# Altium PCB NNP-DWG-165-001-000 BP2 PCB, Unpopulated.PcbDoc (part 1 of 3) (continued)
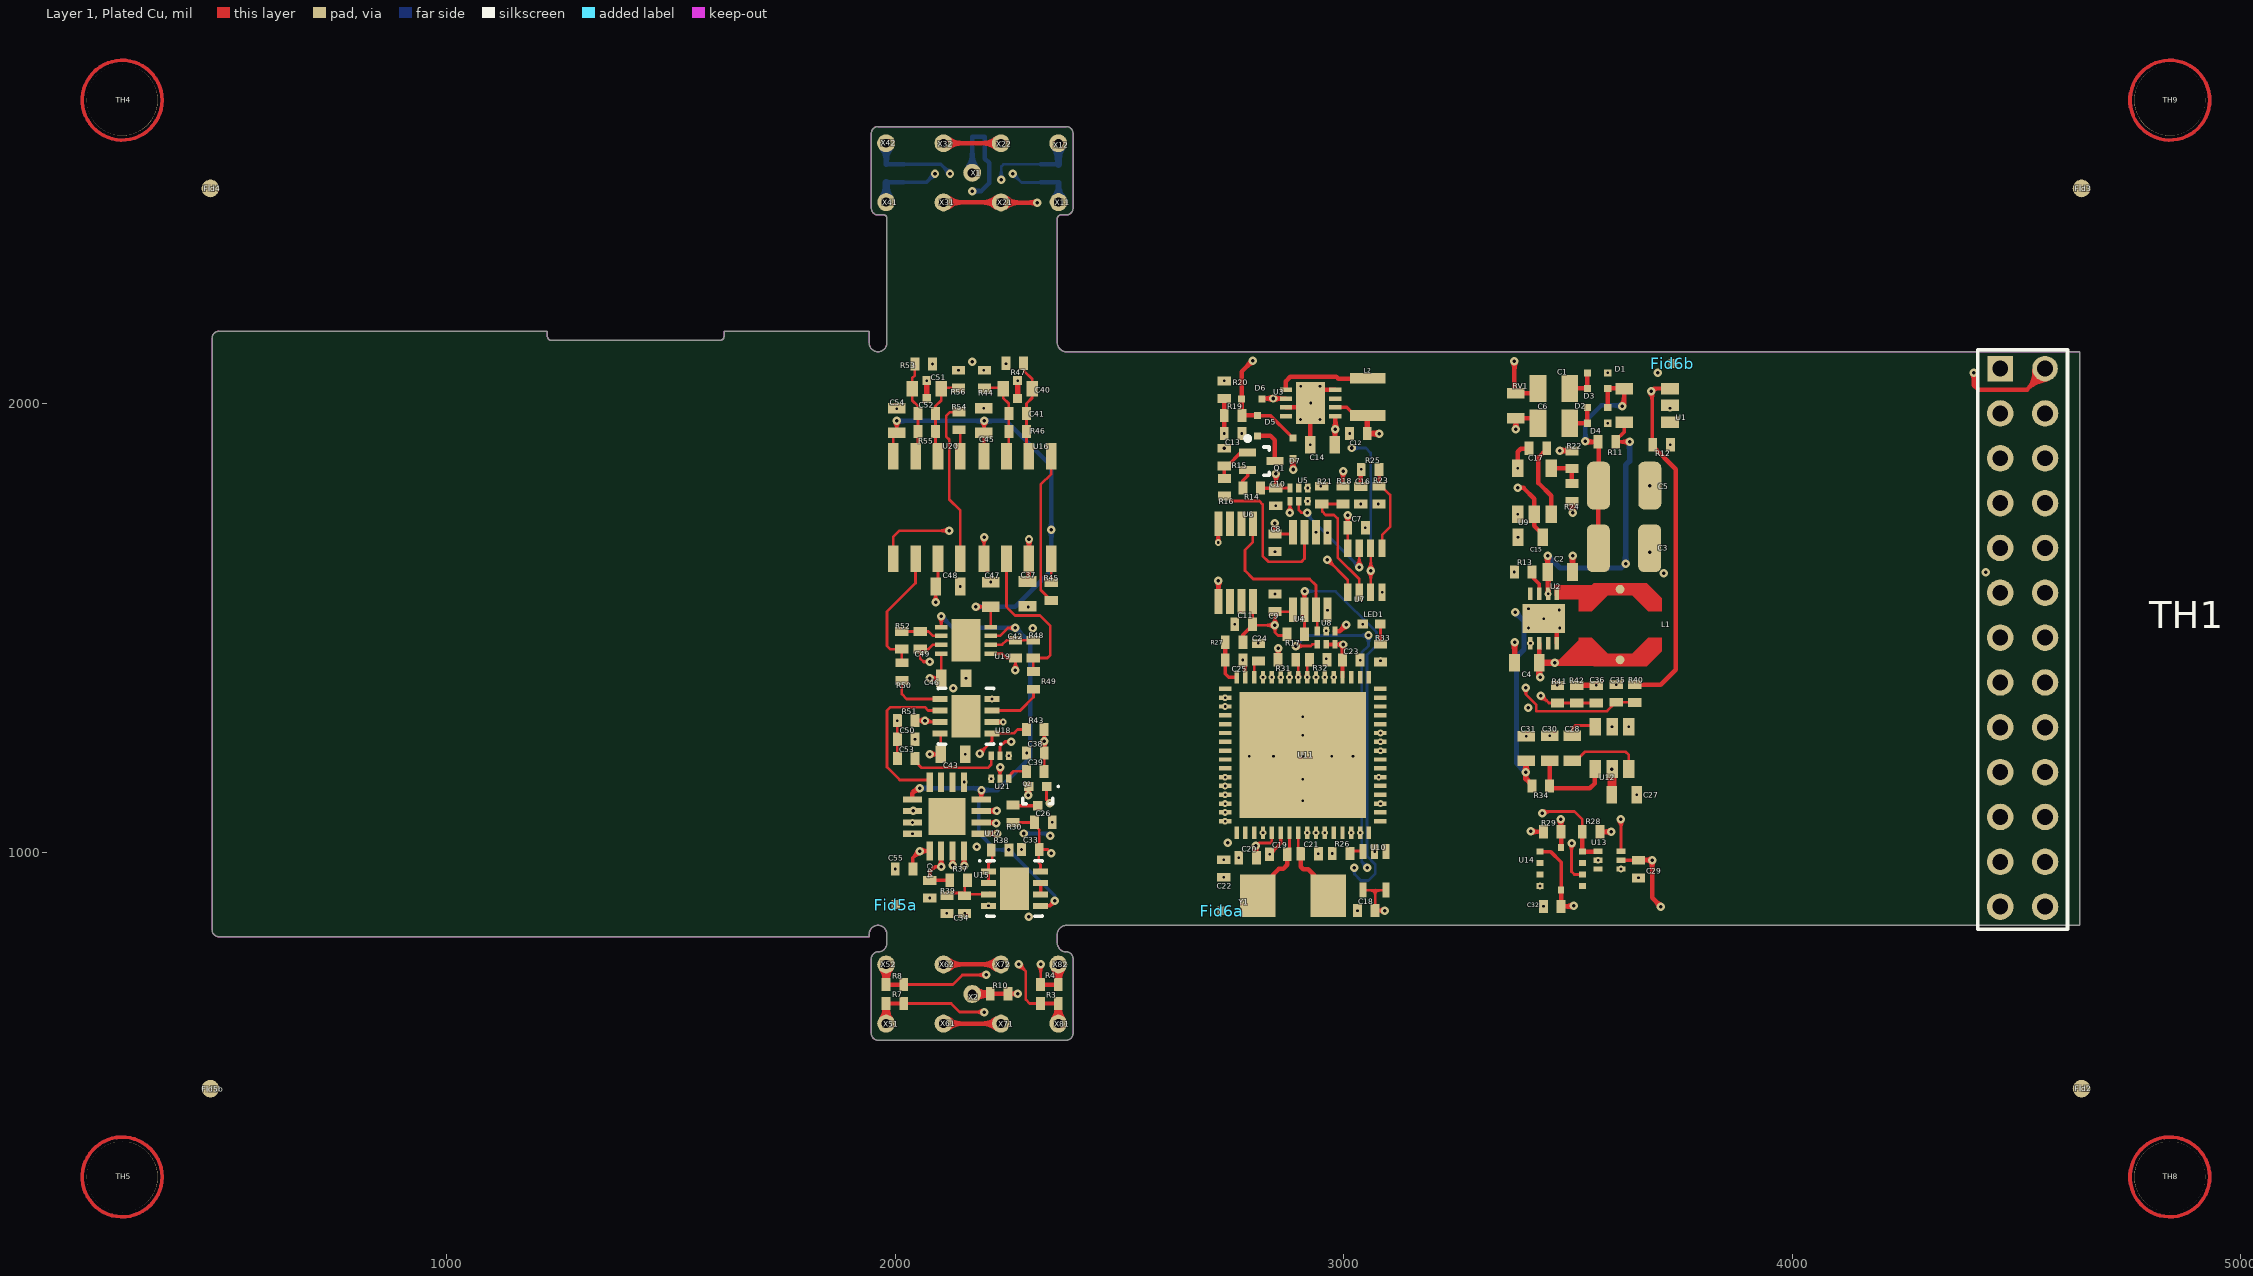
[diagram p0: Layer 1, Plated Cu view]
## Design rules (kind name [scope] priority, off if disabled: settings)
Clearance FEEDHOLE_20MIL [HasFootprint('FEEDHOLE_20MIL') vs IsKeepout] p1: gap=7.09 ignorepadtopadclearanceinfootprint=FALSE except(0: Arc-Hole Track-Hole SMDPad-Hole THPad-Hole Via-Hole Fill-Hole Poly-Hole Region-Hole Text-Hole)
Clearance Polygon [InPolygon] p2: gap=7.87 ignorepadtopadclearanceinfootprint=FALSE except(0: Arc-Hole Track-Hole SMDPad-Hole THPad-Hole Via-Hole Fill-Hole Poly-Hole Region-Hole Text-Hole; 12: Poly-Poly)
Clearance "Pad to Pad" [IsPad vs IsPad] p3: gap=7.87 ignorepadtopadclearanceinfootprint=FALSE except(0: Arc-Hole Track-Hole SMDPad-Hole THPad-Hole Via-Hole Fill-Hole Poly-Hole Region-Hole Text-Hole; 7.85: SMDPad-SMDPad)
Clearance Clearance_keepout [IsKeepout] p4: gap=7.87 ignorepadtopadclearanceinfootprint=FALSE except(0: Arc-Hole Track-Hole SMDPad-Hole THPad-Hole Via-Hole Fill-Hole Poly-Hole Region-Hole Text-Hole)
Clearance [All] p5: gap=3.8 ignorepadtopadclearanceinfootprint=FALSE except(0: THPad-Hole Via-Hole Fill-Hole Poly-Hole Region-Hole Text-Hole)
ComponentClearance [All vs All and Not HasFootprint('HDR_HOLE_RING')] p1: gap=9.84 collisioncheckmode=3 verticalgap=9.84 showdistances=TRUE
HoleToHoleClearance [All] p1: gap=7.87 allowstackedmicrovias=TRUE
MinimumSolderMaskSliver FEEDHOLE_20MIL_Solder [HasFootprint('FEEDHOLE_20MIL') vs IsArc or IsTrack or IsRegion] p1: minsoldermaskwidth=1.97
MinimumSolderMaskSliver [All vs All and NOT HasFootprint('DFN8') AND NOT HasFootprint('uSOP-8L') AND NOT HasFootprint('uPak6') AND NOT HasFootprint('SOT-563') AND NOT HasFootprint('QFN64')] p2: minsoldermaskwidth=1
PasteMaskExpansion DNP [InComponentClass('DNP')] p1: expansion=-78.74
PasteMaskExpansion [All] p2: expansion=0
PolygonConnect IsVia [IsVia] p1: connectstyle=Direct reliefconductorwidth=10 reliefentries=4 polygonreliefangle="90 Angle" airgapwidth=10
PolygonConnect [All] p2: connectstyle=Relief reliefconductorwidth=11.81 reliefentries=4 polygonreliefangle="90 Angle" airgapwidth=9.84
RoutingVias L1-L4 [All] p1: holewidth=7.87 width=17.72 viastyle="Through Hole" minholewidth=5.91 minwidth=15.75 maxholewidth=7.87 maxwidth=17.72
ShortCircuit "Schematic Short-Circuit Constraint_9" [InComponent('R1')] p1: allowed=TRUE
ShortCircuit "Schematic Short-Circuit Constraint_8" [InComponent('R2')] p2: allowed=TRUE
ShortCircuit "Schematic Short-Circuit Constraint_7" [InComponent('R3')] p3: allowed=TRUE
ShortCircuit "Schematic Short-Circuit Constraint_6" [InComponent('R4')] p4: allowed=TRUE
ShortCircuit "Schematic Short-Circuit Constraint_5" [InComponent('R5')] p5: allowed=TRUE
ShortCircuit "Schematic Short-Circuit Constraint_4" [InComponent('R6')] p6: allowed=TRUE
ShortCircuit "Schematic Short-Circuit Constraint_3" [InComponent('R7')] p7: allowed=TRUE
ShortCircuit "Schematic Short-Circuit Constraint_2" [InComponent('R8')] p8: allowed=TRUE
ShortCircuit "Schematic Short-Circuit Constraint_1" [InComponent('R9')] p9: allowed=TRUE
ShortCircuit "Schematic Short-Circuit Constraint" [InComponent('R10')] p10: allowed=TRUE
ShortCircuit [All] p11: allowed=FALSE
SilkToSolderMaskClearance SilkscreenOverComponentPads [IsPad] p1: minsilkscreentomaskgap=10 clearancetoexposedcopper=TRUE
SolderMaskExpansion [All] p1: expansion=1.97
Width [All] p1: maxlimit=39.37 minlimit=5.91 preferedwidth=9.84 checkconnectedcopper=TRUE
24 further rules are at their usual default settings.

## Components (designator, comment, footprint, x,y, rotation, side; value= is the part's Value field where it differs from the comment)
C1 "C_100n_X7R_100_0805_10%" CAP_0805 3468.74,2034.11 r0 top
C2 "C_1u_X7R_25_0603_10%" CAP_0603#1 3482.63,1624.96 r0 top
C3 "C_47u_X5R_16_1210_20%" CHIP_1210N 3625.19,1677.76 r0 top
C4 "C_10u_X5R_6V3_0603_20%" CAP_0603#1 3408.49,1422.39 r180 top
C5 "C_47u_X5R_16_1210_20%" CHIP_1210N 3625.57,1817.62 r0 top
C6 "C_100n_X7R_100_0805_10%" CAP_0805 3468.74,1956.36 r0 top
C7 "C_100n_X7R_16_0402_10%" CAP_0402#1 3028.75,1723.46 r0 top
C8 "C_100n_X7R_16_0402_10%" CAP_0402#1 2846.66,1690 r270 top
C9 "C_100n_X7R_16_0402_10%" CAP_0402#1 2846.66,1556.14 r90 top
C10 "C_100n_X7R_16_0402_10%" CAP_0402#1 2848.63,1792.36 r270 top
C11 "C_100n_X7R_16_0402_10%" CAP_0402#1 2776.78,1508.4 r180 top
C12 "C_4u7_X5R_6V3_0402_20%" CAP_0402#2 3032.81,1933.68 r180 top
C13 "C_68p_C0G_50_0402_5%" CAP_0402#1 2753.15,1933.68 r0 top
C14 "C_1u_X7R_25_0603_10%" RES_0603#1 2952.85,1908.82 r180 top
C15 "C_1u_X7R_25_0603_10%" CAP_0603#2 3416.24,1702.6 r180 top
C16 "C_4u7_X5R_6V3_0402_20%" CAP_0402#2 3037.82,1796.13 r90 top
C17 "C_10n_X7R_50_0402_20%" CAP_0402#2 3433.31,1900.67 r180 top
C18 "C_100n_X7R_16_0402_10%" CAP_0402#1 3050.4,869.62 r180 top
C19 "C_8p_C0G_50_0402" CAP_0402#1 2854.53,995.12 r180 top
C20 "C_100n_X7R_16_0402_10%" CAP_0402#1 2785.72,987.49 r180 top
C21 "C_8p_C0G_50_0402" CAP_0402#1 2923.92,996.59 r0 top
C22 "C_100n_X7R_16_0402_10%" CAP_0402#1 2732.68,963.55 r270 top
C23 "C_100n_X7R_16_0402_10%" CAP_0402#1 3016.94,1428.68 r0 top
C24 "C_100n_X7R_16_0402_10%" CAP_0402#1 2809.75,1445.9 r90 top
C25 "C_2u2_X5R_6V3_0402_20%" CAP_0402#1 2755.62,1428.59 r0 top
C26 "C_2u2_X5R_6V3_0402_20%" CAP_0402#2 2330.32,1066.47 r0 top
C27 "C_10u_X5R_6V3_0603_20%" CAP_0603#1 3625.75,1127.99 r0 top
C28 "C_10u_X5R_6V3_0603_20%" CAP_0603#1 3509.83,1231.83 r270 top
C29 "C_100n_X7R_16_0402_10%" CAP_0402#1 3657.4,962.24 r270 top
C30 "C_10u_X5R_6V3_0603_20%" CAP_0603#1 3459.64,1231.83 r90 top
C31 "C_10u_X5R_6V3_0603_20%" CAP_0603#2 3407.06,1231.15 r90 top
C32 "C_100n_X7R_16_0402_10%" CAP_0402#2 3465.15,879.06 r180 top
C33 "C_150n_X7R_16_0402_10%" CAP_0402#2 2301.1,1006 r180 top
C34 "C_100n_X7R_16_0402_10%" CAP_0402#1 2154.49,883.12 r270 top
C35 "C_100n_X7R_16_0402_10%" CAP_0402#1 3608.1,1353.95 r90 top
C36 "C_1n_C0G_50_0402_5%" CAP_0402#1 3563.48,1352.26 r90 top
C37 "C_150n_X7R_16_0603_10%" CAP_0603#1 2294.8,1576.11 r270 top
C38 "C_100n_X7R_16_0402_10%" CAP_0402#1 2312.45,1221 r180 top
C39 "C_100n_X7R_16_0402_10%" CAP_0402#1 2312.21,1180.15 r180 top
C40 "C_10n_X7R_50_0603_20%_X2Y" CAP_0603_X14 2272.84,2033.5 r0 top
C41 "C_4n7_C0G_50_0402_10%" CAP_0402#1 2272.84,1978.38 r0 top
C42 "C_100n_X7R_16_0402_10%" CAP_0402#1 2267.92,1452.79 r90 top
C43 "C_150n_X7R_16_0603_10%" CAP_0603#1 2128.65,1218.54 r0 top
C44 "C_150n_X7R_16_0402_10%" CAP_0402#2 2076.97,917.31 r270 top
C45 "C_150n_X7R_16_0603_10%" CAP_0603#1 2197.05,1962.64 r90 top
C46 "C_150n_X7R_16_0603_10%" CAP_0603#1 2130.12,1387.83 r0 top
C47 "C_150n_X7R_16_0603_10%" CAP_0603#1 2212.8,1574.84 r90 top
C48 "C_150n_X7R_16_0603_10%" CAP_0603#1 2117.33,1592.56 r0 top
C49 "C_100n_X7R_16_0402_10%" CAP_0402#1 2055.32,1472.48 r90 top
C50 "C_100n_X7R_16_0402_10%" CAP_0402#1 2024.29,1252.01 r0 top
C51 "C_10n_X7R_50_0603_20%_X2Y" CAP_0603_X14 2070.08,2033.5 r0 top
C52 "C_4n7_C0G_50_0402_10%" CAP_0402#1 2070.08,1978.38 r0 top
C53 "C_100n_X7R_16_0402_10%" CAP_0402#1 2024.29,1208.7 r0 top
C54 "C_150n_X7R_16_0603_10%" CAP_0603#1 2003.16,1962.64 r90 top
C55 "C_150n_X7R_16_0402_10%" CAP_0402#2 2019.36,962.48 r0 top
D1 "D_30_100m" SSSMini2-F4-B 3566.32,2034.12 r180 top
D2 "D_30_100m" SSSMini2-F4-B 3566.32,1992.07 r180 top
D3 "D_30_100m" SSSMini2-F4-B 3566.32,2069.12 r0 top
D4 "D_30_100m" SSSMini2-F4-B 3566.32,1956.62 r0 top
D5 "D_30_100m" SSSMini2-F4-B 2807.38,1951.13 r270 top
D6 "D_30_100m" SSSMini2-F4-B 2794.76,2010.54 r180 top
D7 "D_30_100m" SSSMini2-F4-B 2887.01,1900.67 r270 top
Fid2 "Comment" FID#1 4645.67,472.44 r0 top
Fid3 "Comment" FID#1 4645.67,2480.32 r0 top
Fid4 "Comment" FID#1 472.44,2480.32 r0 top
Fid5a "Comment" Fid05 2000.85,883.12 r0 top
Fid5b "Comment" FID#1 472.42,472.44 r0 top
Fid6a "Comment" Fid05 2728.42,869.35 r0 top
Fid6b "Comment" Fid05 3734.36,2090 r0 top
Fid8 "Comment" FID#2 4645.67,472.44 r180 top
Fid9 "Comment" FID#2 4645.67,2480.32 r180 top
Fid10 "Comment" FID#2 472.44,2480.32 r180 top
L1 "L_100u_285m_20%" "IND LPS4414 COILCRAFT" 3616.32,1507.62 r270 top
L2 "470uH, 35mH, 10%, 10 ohm" IND_1007 3053.38,2015.31 r270 top
LED1 "LED Red 0402" LED_0402_RED 3062.21,1508.89 r0 top
Q1 "Q_-50_-100m_SOT523" SOT523 2816.24,1872.14 r0 top
Q2 "NTE4151PT1G" ONSC-SC-89-3-463C-02_V 2317.63,1124.79 r270 top
R1 "DNP" RES_0402_cut 2344.5,2493.62 r180 bottom
R2 "DNP" RES_0402_cut 2344.01,2533.95 r180 bottom
R3 "DNP" RES_0402_cut 2343.71,662.44 r180 top
R4 "DNP" RES_0402_cut 2343.71,704.76 r180 top
R5 "DNP" RES_0402_cut 1999.36,2493.62 r0 bottom
R6 "DNP" RES_0402_cut 1999.68,2533.95 r0 bottom
R7 "DNP" RES_0402_cut 1999.22,662.44 r0 top
R8 "DNP" RES_0402_cut 1999.22,704.76 r0 top
R9 "DNP" RES_0402_cut 2171.53,2576.15 r90 bottom
R10 "DNP" RES_0402_cut 2231.5,684.09 r0 top
R11 "R_100m_0402" RES_0402#1 3587.19,1915.16 r180 top
R12 "R_49k9_0402" RES_0402#1 3708.84,1908.82 r0 top
R13 "R_470k_0402" RES_0402#1 3400.36,1624.96 r180 top
R14 "R_1k_0402" RES_0402#1 2794.76,1812.04 r180 top
R15 "R_5k1_0402" RES_0402#1 2733.56,1880.99 r270 top
R16 "R_5k1_0402" RES_0402#1 2733.91,1813.79 r270 top
R17 "R_49k9_0402" RES_0402#1 2892.92,1486.26 r0 top
R18 "R_49k9_0402" RES_0402#1 2998.23,1796.3 r270 top
R19 "R_49k9_0402" RES_0402#1 2753.15,1973.97 r180 top
R20 "R_1k_0402" RES_0402#1 2733.46,2031.44 r90 top
R21 "R_1k_0402" RES_0402#1 2950.99,1796.3 r90 top
R22 "R_49k9_0402" RES_0402#1 3509.06,1875.34 r270 top
R23 "R_1k_0402" RES_0402#1 3078.94,1796.3 r90 top
R24 "R_84k5_0402" RES_0402#1 3509.06,1802.4 r270 top
R25 "R_49k9_0402" RES_0402#1 3058.95,1853.72 r180 top
R26 "R_10k_0402" RES_0402#1 2994.3,997.08 r180 top
R27 "R_20_0402" RES_0402#2 2755.62,1468.13 r180 top
R28 "R_10k_0402" RES_0402#1 3551.82,1045.37 r180 top
R29 "R_10k_0402" RES_0402#1 3464.94,1045.44 r0 top
R30 "R_20_0402" RES_0402#2 2262.51,1085.65 r270 top
R31 "R_10k_0402" RES_0402#1 2873.23,1429.17 r0 top
R32 "R_10k_0402" RES_0402#1 2943.12,1429.17 r180 top
R33 "R_10k_0402" RES_0402#1 3081.9,1443.93 r90 top
R34 "R_20_0402" RES_0402#1 3439.58,1147.67 r180 top
R37 "R_100k_0402" RES_0402#1 2140.95,937.25 r0 top
R38 "R_100_0402" RES_0402#1 2233.47,1004.95 r0 top
R39 "R_100k_0402" RES_0402#1 2114.97,883.12 r270 top
R40 "R_1k6_0402" RES_0402#1 3648.9,1353.6 r270 top
R41 "R_150k_0402" RES_0402#1 3476.55,1352.26 r270 top
R42 "R_49k9_0402" RES_0402#1 3519.64,1352.26 r90 top
R43 "R_1k6_0402" RES_0402#1 2312.21,1273.66 r0 top
R44 "R_10k_0402_0%1" RES_0402#1 2199.02,2055.15 r270 top
R45 "R_332_0402" RES_0402#1 2347.76,1581.2 r90 top
R46 "RES_0402" RES_0402#1 2272.84,1938.03 r0 top
R47 "R_10k_0402_0%1" RES_0402#1 2266.37,2090.59 r0 top
R48 "R_150k_0402" RES_0402#1 2307.78,1452.79 r270 top
R49 "R_10k_0402" RES_0402#1 2308.27,1382.91 r270 top
R50 "R_10k_0402" RES_0402#1 2014.97,1402.6 r270 top
R51 "R_1k6_0402" RES_0402#1 2024.29,1293.34 r180 top
R52 "R_150k_0402" RES_0402#1 2014.47,1472.48 r270 top
R53 "R_10k_0402_0%1" RES_0402#1 2063.2,2088.62 r180 top
R54 "R_332_0402" RES_0402#1 2141.94,1961.65 r90 top
R55 "RES_0402" RES_0402#1 2070.08,1938.03 r0 top
R56 "R_10k_0402_0%1" RES_0402#1 2140.95,2055.15 r270 top
RV1 "MOV 12V 0603" RES_0603#2 3384.1,1995.73 r270 top
TH1 "Header 13X2A" HDR2X13_CEN 4464.26,2078.44 r270 top
TH4 "Comment" Tooling-Hole 275.59,2677.17 r0 top
TH5 "Comment" Tooling-Hole 275.59,275.59 r0 top
TH8 "Comment" Tooling-Hole 4842.52,275.59 r0 top
TH9 "Comment" Tooling-Hole 4842.52,2677.17 r0 top
U1 "Current Monitor, 2.5V-20V, 1%" SOT23-5 3676.59,1996.62 r180 top
U2 "Step Down DC-DC, 4.5V-45V, 50mA" DFN8#1 3445.99,1520.82 r270 top
U3 "Step Down DC-DC, 4.5V-45V, 50mA" DFN8#2 2926.27,2001.66 r0 top
U4 "ISO DIG 3-5.5V" MSOP-8L 2925.4,1627.01 r90 top
U5 "XOR 1.65-5.5V" uPak6 2899.81,1797.28 r90 top
U6 "Silicon delay 3-3.6V" MSOP-8L 2759.06,1645.73 r270 top
U7 "CMP 2.7-5.5V  40ns" SOT23-8 3047.45,1628.97 r90 top
U8 "Flip-Flop 1.65-5.5V" uPak6 2960.83,1478.38 r270 top
U9 "LDO, -1.2-20V, -200mA" SOT23-5 3425.31,1805.03 r90 top
U10 "RESET 1.3-6.0V" SC70-5 3069.1,958.7 r270 top
U11 "uC 2.7-5.5V 8bit" QFN64 2908.67,1216.57 r0 top locked
U12 "Voltage inverter 1.15-5.5V 50mA" SOT23-6 3598.41,1232.81 r90 top
U13 "Temp Sens 1.4-3.6V 10uA 12bit I2C" SOT-563 3592.98,982.09 r0 top
U14 "Tri-axis accelerometer, I2C, I2Caddr=0001111" LGA10 3484.93,962.9 r0 top
U15 "OPA 1.8-5.5V DRB8" TI-DRB8-2400X1650TP_V#1 2265.89,918.65 r0 top
U16 "INA 2.3-18V 530uA" SOIC8-N 2272.84,1768.74 r270 top
U17 "DIGPOT 2.7-3.6V SPI" QFN16 2114.97,1079.27 r180 top locked
U18 "OPA 1.8-5.5V DFN8" TI-DRB8-2400X1650TP_V#2 2157.68,1303.19 r180 top
U19 "Op-Amp Dual R-R" DFN8#3 2157.68,1472.48 r180 top
U20 "INA 2.3-18V 530uA" SOIC8-N 2070.08,1768.74 r270 top
U21 "MOSFET 2N, 60V, 0.305A" SOT-563 2233.47,1189.46 r270 top
X1 "HOLE_20m" FEEDHOLE_20mil 2171.41,2515.1 r0 top
X2 "HOLE_20m" FEEDHOLE_20mil 2171.51,683.6 r0 top
X11 "HOLE_20m" FEEDHOLE_20mil 2364.07,2449.76 r0 top
X12 "HOLE_20m" FEEDHOLE_20mil 2363.41,2581.1 r0 top
X21 "HOLE_20m" FEEDHOLE_20mil 2235.41,2449.1 r0 top
X22 "HOLE_20m" FEEDHOLE_20mil 2235.41,2581.1 r0 top
X31 "HOLE_20m" FEEDHOLE_20mil 2107.41,2449.1 r0 top
X32 "HOLE_20m" FEEDHOLE_20mil 2107.41,2581.1 r0 top
X41 "HOLE_20m" FEEDHOLE_20mil 1979.67,2449.76 r0 top
X42 "HOLE_20m" FEEDHOLE_20mil 1979.41,2581.1 r0 top
X51 "HOLE_20m" FEEDHOLE_20mil 1979.51,617.6 r0 top
X52 "HOLE_20m" FEEDHOLE_20mil 1979.51,749.6 r0 top
X61 "HOLE_20m" FEEDHOLE_20mil 2107.51,617.6 r0 top
X62 "HOLE_20m" FEEDHOLE_20mil 2107.51,749.6 r0 top
X71 "HOLE_20m" FEEDHOLE_20mil 2235.51,617.6 r0 top
X72 "HOLE_20m" FEEDHOLE_20mil 2235.51,749.6 r0 top
X81 "HOLE_20m" FEEDHOLE_20mil 2363.51,617.6 r0 top locked
X82 "HOLE_20m" FEEDHOLE_20mil 2363.51,749.6 r0 top locked
Y1 "Crystal 8MHz SMT" NX5032GA 2887.01,902.8 r180 top

## Footprints (in the part's own frame and the unit in brackets; to place one, negate y for a bottom-side part, rotate by r counter-clockwise, add the part's x,y. Pads: shape width x height; smd on the part's side, far side on the other; paste and mask are expansions set on the pad)
CAP_0402#1 [mm] "0402 case"
  rect 0.5x0.75 smd mask+0.05: 1(-0.5,0) 2(0.5,0)
  body extent -0.5,-0.25 0.5,0.25, height 0.5
CAP_0402#2 [mm]
  rect 0.5x0.75 smd: 1(-0.5,0) 2(0.5,0)
  body extent -0.5,-0.25 0.5,0.25, height 0.5
CAP_0603#1 [mm] "0603 case"
  rect 0.6x1 smd mask+0.05: 1(-0.7,0) 2(0.7,0)
  body extent -0.8,-0.4 0.8,0.4, height 0.6
CAP_0603#2 [mm]
  rect 0.6x1 smd: 1(-0.7,0) 2(0.7,0)
  body extent -0.8,-0.4 0.8,0.4, height 0.6
CAP_0603_X14 [mil] "0603 package 1.6 x 0.8 mm"
  rect 25.59x35.43 smd mask+1.97: 1(-32.48,0) 2(32.48,0)
  rect 20x20 smd mask+1.97: 3(0,18) 4(0,-22)
  body extent -31,-16 32,16, height 24
CAP_0805 [mm] "0805 case"
  rect 0.95x1.55 smd mask+0.05: 1(-0.9,0) 2(0.9,0)
  body extent -1,-0.62 1,0.63, height 0.6
CHIP_1210N [mm] "Chip Passive, Body 1210 (3.2x2.5mm), IPC Medium Density"
  rrect50% 1.3x2.7 smd: 1(-1.45,0) 2(1.45,0)
  body extent -1.7,-1.35 1.7,1.35, height 1.35
DFN8#1 [mm] "8-Lead Plastic DFN 3.00 x 3.00"
  rect 0.7x0.25 smd mask+0.05: 1(-1.4,0.75) 2(-1.4,0.25) 3(-1.4,-0.25) 4(-1.4,-0.75) 5(1.4,-0.75) 6(1.4,-0.25) 7(1.4,0.25) 8(1.4,0.75)
  rect 1.65x2.4 smd paste-0.305 mask+0.05: 9(0,0)
  body extent -1.51,-1.5 1.51,1.5, height 0.8
DFN8#2 [mm]
  rect 0.7x0.25 smd: 1(-1.4,0.75) 2(-1.4,0.25) 3(-1.4,-0.25) 4(-1.4,-0.75) 5(1.4,-0.75) 6(1.4,-0.25) 7(1.4,0.25) 8(1.4,0.75)
  rect 1.65x2.4 smd paste-0.35: 9(0,0)
  body extent -1.51,-1.5 1.51,1.5, height 0.8
DFN8#3 [mm] "8-Lead Plastic DFN 3.00 x 3.00"
  rect 0.7x0.25 smd mask+0.05: 1(-1.4,0.75) 2(-1.4,0.25) 3(-1.4,-0.25) 4(-1.4,-0.75) 5(1.4,-0.75) 6(1.4,-0.25) 7(1.4,0.25) 8(1.4,0.75)
  rect 1.65x2.4 smd paste-0.254 mask+0.05: 9(0,0)
  body extent -1.51,-1.5 1.51,1.5, height 0.8
FEEDHOLE_20mil [mil] "Feedthrough hole 20mil"
  round 40 hole 20 mask+1.97: 1(0,0)
FID#1 [mm] "Fiducial Pad 1.0 mm"
  round 1 smd paste-1 mask+0.4: 1.00mm(0,0)
  round 1 on Mech2 paste+0 mask+0: tp(0,0)
  body extent -0.5,-0.5 0.5,0.5, height 0.04
FID#2 [mm] "Fiducial Pad 1.0 mm"
  round 1 smd far side paste-1 mask+0.4: 1.00mm(0,0)
  round 1 on Mech2 paste+0 mask+0: tp(0,0)
  body extent -0.5,-0.5 0.5,0.5, height 0.04
Fid05 [mm] "Fiducial 0.5 mm x 0.5 mm"
  rect 0.5x0.5 on Mech2 paste+0 mask+0: Fid(0,0)
  rect 0.5x0.5 smd paste-1 mask+0.25: Fid(0,0)
  body extent -0.25,-0.25 0.25,0.25, height 0.04
HDR2X13_CEN [mm] "Connector; Header; 13x2 Position"
  rect 1.448x1.448 hole 0.9: 1(0,0)
  round 1.5 hole 0.9: 2(2.54,0) 3(5.08,0) 4(7.62,0) 5(10.16,0) 6(12.7,0) 7(15.24,0) 8(17.78,0) 9(20.32,0) 10(22.86,0) 11(25.4,0) 12(27.94,0) 13(30.48,0) 15(2.54,2.54) 16(5.08,2.54) 17(7.62,2.54) 18(10.16,2.54) 19(12.7,2.54) 20(15.24,2.54) 21(17.78,2.54) 22(20.32,2.54) 23(22.86,2.54) 24(25.4,2.54) 25(27.94,2.54) 26(30.48,2.54)
  round 1.448 hole 0.9: 14(0,2.54)
  silkscreen extent -1.06,-1.27 31.75,3.81
"IND LPS4414 COILCRAFT" [mm]
  round 0.5 smd mask-1: 1(-2,0) 2(2,0)
  Layer 1, Plated Cu region: -2.35,1.5 -2.35,-1.5 -1.5,-2.35 -0.75,-2.35 -0.75,-1.6 -1.65,-0.7 -1.65,0.7 -0.75,1.6 -0.75,2.35 -1.5,2.35
  Layer 1, Plated Cu region: 2.35,-1.5 2.35,1.5 1.5,2.35 0.75,2.35 0.75,1.6 1.65,0.7 1.65,-0.7 0.75,-1.6 0.75,-2.35 1.5,-2.35
  body extent -2.2,-2.2 2.2,2.2, height 1.4
IND_1007 [mm]
  rect 0.6x2 smd: 1(-1.05,0) 2(1.05,0)
  body extent -1.25,-0.9 1.25,0.9, height 2
LED_0402_RED [mm] "2-Leads SMD LED 1.00 x 0.50 mm"
  rect 0.6x0.5 smd mask+0.05: 1(-0.5,0) 2(0.5,0)
  body extent -0.5,-0.25 0.51,0.25, height 0.45
LGA10 [mm] "10-Leads LGA 3 x 3 x 0.9"
  rect 0.4x0.35 smd mask+0.05: 1(-1.2,0.975) 2(-1.2,0.325) 3(-1.2,-0.325) 4(-1.2,-0.975) 6(1.2,-0.975) 7(1.2,-0.325) 8(1.2,0.325) 9(1.2,0.975)
  rect 0.35x0.4 smd mask+0.05: 5(0,-1.2) 10(0,1.2)
  body extent -1.5,-1.5 1.5,1.5, height 0.9
MSOP-8L [mm] "8-Lead MSOP 3mm x 3 mm package"
  rect 1.4x0.45 smd mask+0.05: 1(-2.2,0.975) 2(-2.2,0.325) 3(-2.2,-0.325) 4(-2.2,-0.975) 5(2.2,-0.975) 6(2.2,-0.325) 7(2.2,0.325) 8(2.2,0.975)
  body extent -2.45,-1.5 2.45,1.5, height 1.15
NX5032GA [mm] "2-Leads SMD Crystal"
  rect 2x2.4 smd mask+0.05: 1(-2,0) 2(2,0)
  body extent -2.6,-1.7 2.6,1.7, height 1.5
ONSC-SC-89-3-463C-02_V [mm] "SOT23, 3-Leads, Body 1.6x0.85mm, Pitch 0.5mm"
  rect 0.53x0.53 smd: 1(-0.55,0.5) 2(-0.55,-0.5) 3(0.55,0)
  silkscreen extent -0.6,-0.85 0.43,1.21, body extent -0.42,-0.8 0.43,0.8, height 0.8
QFN16 [mm] "16-Leads QFN 4.00 x 4.00 mm package"
  round 0.4 on Mech5 mask+0.05: 0(-1.7,1.7)
  rect 1.1x0.35 smd mask+0.05: 1(-1.95,0.975) 2(-1.95,0.325) 3(-1.95,-0.325) 4(-1.95,-0.975) 9(1.95,-0.975) 10(1.95,-0.325) 11(1.95,0.325) 12(1.95,0.975)
  rect 0.35x1.1 smd mask+0.05: 5(-0.975,-1.95) 6(-0.325,-1.95) 7(0.325,-1.95) 8(0.975,-1.95) 13(0.975,1.95) 14(0.325,1.95) 15(-0.325,1.95) 16(-0.975,1.95)
  rect 2.1x2.1 smd paste-0.305 mask+0.05: 17(0,0)
  body extent -2,-2 2,2, height 0.92
QFN64 [mm] "64-Leads QFN 9.00 x 9.00 mm"
  rect 0.7x0.25 smd mask+0.05: 1(-4.4,3.75) 2(-4.4,3.25) 3(-4.4,2.75) 4(-4.4,2.25) 5(-4.4,1.75) 6(-4.4,1.25) 7(-4.4,0.75) 8(-4.4,0.25) 9(-4.4,-0.25) 10(-4.4,-0.75) 11(-4.4,-1.25) 12(-4.4,-1.75) 13(-4.4,-2.25) 14(-4.4,-2.75) 15(-4.4,-3.25) 16(-4.4,-3.75) 33(4.4,-3.75) 34(4.4,-3.25) 35(4.4,-2.75) 36(4.4,-2.25) 37(4.4,-1.75) 38(4.4,-1.25) 39(4.4,-0.75) 40(4.4,-0.25) 41(4.4,0.25) 42(4.4,0.75) 43(4.4,1.25) 44(4.4,1.75) 45(4.4,2.25) 46(4.4,2.75) 47(4.4,3.25) 48(4.4,3.75)
  rect 0.25x0.7 smd mask+0.05: 17(-3.75,-4.4) 18(-3.25,-4.4) 19(-2.75,-4.4) 20(-2.25,-4.4) 21(-1.75,-4.4) 22(-1.25,-4.4) 23(-0.75,-4.4) 24(-0.25,-4.4) 25(0.25,-4.4) 26(0.75,-4.4) 27(1.25,-4.4) 28(1.75,-4.4) 29(2.25,-4.4) 30(2.75,-4.4) 31(3.25,-4.4) 32(3.75,-4.4) 49(3.75,4.4) 50(3.25,4.4) 51(2.75,4.4) 52(2.25,4.4) 53(1.75,4.4) 54(1.25,4.4) 55(0.75,4.4) 56(0.25,4.4) 57(-0.25,4.4) 58(-0.75,4.4) 59(-1.25,4.4) 60(-1.75,4.4) 61(-2.25,4.4) 62(-2.75,4.4) 63(-3.25,4.4) 64(-3.75,4.4)
  rect 7.15x7.15 smd paste-1.524 mask+0.05: 65(0,0)
  body extent -4.52,-4.52 4.52,4.52, height 0.89
RES_0402#1 [mm] "0402 case"
  rect 0.5x0.75 smd mask+0.05: 1(-0.5,0) 2(0.5,0)
  body extent -0.5,-0.25 0.5,0.25, height 0.3
RES_0402#2 [mm]
  rect 0.5x0.75 smd: 1(-0.5,0) 2(0.5,0)
  body extent -0.5,-0.25 0.5,0.25, height 0.3
RES_0402_cut [mm]
  rect 0.5x0.75 smd: 1(-0.5,0) 2(0.5,0)
  Layer 1, Plated Cu lines w0.254: 0.5,0 -0.5,0
  body extent -0.5,-0.25 0.5,0.25, height 0.3
RES_0603#1 [mm]
  rect 0.6x1 smd: 1(-0.7,0) 2(0.7,0)
  body extent -0.8,-0.4 0.8,0.4, height 0.4
RES_0603#2 [mm] "0603 case"
  rect 0.6x1 smd mask+0.05: 1(-0.7,0) 2(0.7,0)
  body extent -0.8,-0.4 0.8,0.4, height 0.4
SC70-5 [mm] "5-Lead SC70-5 package"
  rect 0.85x0.4 smd mask+0.05: 1(-1.1,0.65) 2(-1.1,0) 3(-1.1,-0.65) 4(1.1,-0.65) 5(1.1,0.65)
  body extent -1.1,-1 1.1,1, height 0.95
SOIC8-N [mm] "8-Lead SOIC 3.9mm body"
  rect 1.5x0.6 smd mask+0.05: 1(-2.9,1.905) 2(-2.9,0.635) 3(-2.9,-0.635) 4(-2.9,-1.905) 5(2.9,-1.905) 6(2.9,-0.635) 7(2.9,0.635) 8(2.9,1.905)
  body extent -3.1,-2.5 3.1,2.5, height 1.74
SOT23-5 [mm] "5-Lead SOT23 package"
  rect 1x0.65 smd mask+0.05: 1(-1.3,0.95) 2(-1.3,0) 3(-1.3,-0.95) 4(1.3,-0.95) 5(1.3,0.95)
  body extent -1.5,-1.5 1.5,1.5, height 1.3
SOT23-6 [mm] "6-Lead SOT23 package"
  rect 1x0.65 smd mask+0.05: 1(-1.2,0.95) 2(-1.2,0) 3(-1.2,-0.95) 4(1.2,-0.95) 5(1.2,0) 6(1.2,0.95)
  body extent -1.4,-1.5 1.4,1.5, height 0.86
SOT23-8 [mm] "8-Lead SOT 23 package"
  rect 1x0.4 smd mask+0.05: 1(-1.25,0.975) 2(-1.25,0.325) 3(-1.25,-0.325) 4(-1.25,-0.975) 5(1.25,-0.975) 6(1.25,-0.325) 7(1.25,0.325) 8(1.25,0.975)
  body extent -1.4,-1.47 1.4,1.47, height 1.2
SOT523 [mm] "SOT23, 3-Leads, Body 1,6x1,6mm (max), Pitch 0,50mm, IPC Medium Density"
  rect 0.95x0.45 smd mask+0.05: 1(-0.775,0.5) 2(-0.775,-0.5) 3(0.775,0)
  silkscreen extent -0.9,-0.8 0.45,1.4, body extent -0.45,-0.83 0.45,0.82, height 0.75
SOT-563 [mm] "6-Lead SOT-563 package"
  rect 0.5x0.3 smd mask+0.05: 1(-0.65,0.5) 2(-0.65,0) 3(-0.65,-0.5) 4(0.65,-0.5) 5(0.65,0) 6(0.65,0.5)
  body extent -0.81,-0.8 0.81,0.8, height 0.58
SSSMini2-F4-B [mm] "2-Leads SMT Diode"
  rect 0.4x0.4 smd mask+0.05: 1(-0.575,0) 2(0.575,0)
  body extent -0.5,-0.3 0.5,0.3, height 0.55
TI-DRB8-2400X1650TP_V#1 [mm] "SON, 8-Leads, Body 3x3mm, Pitch 0.65mm, Thermal Pad 2.4x1.65mm"
  rect 0.85x0.35 smd: 1(-1.475,0.975) 2(-1.475,0.325) 3(-1.475,-0.325) 4(-1.475,-0.975) 5(1.475,-0.975) 6(1.475,-0.325) 7(1.475,0.325) 8(1.475,0.975)
  rect 1.65x2.4 smd paste-0.254 mask+0.05: 9(0,0)
  silkscreen extent -2.02,-1.58 1.57,1.62, body extent -1.5,-1.5 1.5,1.5, height 1
TI-DRB8-2400X1650TP_V#2 [mm] "SON, 8-Leads, Body 3x3mm, Pitch 0.65mm, Thermal Pad 2.4x1.65mm"
  rect 0.85x0.35 smd: 1(-1.475,0.975) 2(-1.475,0.325) 3(-1.475,-0.325) 4(-1.475,-0.975) 5(1.475,-0.975) 6(1.475,-0.325) 7(1.475,0.325) 8(1.475,0.975)
  rect 1.65x2.4 smd: 9(0,0)
  silkscreen extent -2.02,-1.58 1.57,1.62, body extent -1.5,-1.5 1.5,1.5, height 1
Tooling-Hole [mil] "Tooling Hole 4.01mm"
  round 157.99 hole 157.99 unplated mask+0: 4.01mm(0,0)
  Multi-Layer circle w7.99: c0,0 r88.98
uPak6 [mm] "6-Lead MicroPak 1.00mm wide"
  rect 0.5x0.3 smd mask+0.05: 1(-0.375,0.5) 2(-0.375,0) 3(-0.375,-0.5) 4(0.375,-0.5) 5(0.375,0) 6(0.375,0.5)
  body extent -0.5,-0.75 0.5,0.75, height 0.55

## Part data
C1 C6: library part 08051C104KAZ2A, "0.1uF, 100V, X7R, 0805, 10%, RoHS"
C2 C14 C15: library part GRM188R71E105KA12D, "1uF, 25V, X7R, 0603, 10%, RoHs"
C3 C5: library part GRM32ER61C476ME15L, "47uF, 16V, X5R, 1210, 20%, RoHS"
C4 C27 C28 C30 C31: library part ECJ-1VB0J106M, "10uF, 6.3V, X5R, 0603_20%, RoHS"
C7 C8 C9 C10 C11 C18 C20 C22 C23 C24 C29 C32 C34 C35 C38 C39 C42 C49 C50 C53: library part GRM155R71C104KA88D, "0.1uF, 16V, X7R, 0402, RoHS"
C12 C16: library part ECJ-0EB0J475M, "4.7uF, 6.3V, X5R, 20%, 0402, RoHS"
C13: library part GRM1555C1H680JZ01D, "68pF, 50V, C0G, 0402, 5%, RoHS"
C17: library part C0402C103M5RACTU, "0.001uF, 50V, X7R, 20%, 0402, RoHS"
C19 C21: library part ECJ-0EC1H080D, "8pF, 50V, C0G, 0402, 10%, RoHS"
C25 C26: library part 6R3R07X225MV4T, "2.2uF, 6.3V, X5R, 0402, 20%, RoHS"
C33 C44 C55: library part GRM188R71C154KA01D, "0.15uF, 16V, X7R, 10%, 0402, RoHS"
C36: library part GRM1555C1H102JA01D, "1000pF, 50V, C0G, 5%, 0402, RoHS"
C37 C43 C45 C46 C47 C48 C54: library part GRM188R71C154KA01D, "0.15uF, 16V, X7R, 10%, 0603, RoHS"
C40 C51: library part 500X14W103MV4T, "X2Y, 10000pF, 50V, X7R, 0603, 20%, RoHS"
C41 C52: library part C0402C472K5RACTU, "4700pF, 50V, C0G, 0402_10%, RoHS"
D1 D2 D3 D4 D5 D6 D7: library part DB27316, "Schotty Diode, 30V, 100mA, RoHS"
L1: library part VLCF5020T-101MR27, "100uH, 270MA, 1.581 OHM, 20%"
L2: library part CB2518T471K, "470uH, 35mA, 10%, RoHS"
LED1: library part SML-LX0402SIC-TR, "LED, Red, 0402, 20mA ,2V, 140mcd, RoHS"
Q1: library part DSA9001, "PNP, -50V, -100mA, SOT523, 150MHz, RoHS"
Q2: library part CMP-1058-00652-1, "Small Signal MOSFET, -20 V, -760 mA, Single P-Channel, Gate Zener, 3-Pin SC-89, Pb-Free, Tape and Reel"
R1 R2 R3 R4 R5 R6 R7 R8 R9 R10: library part MCR01MZPJ000, "0.0 ohm, 1/16W, 0402, RoHS"
R11: library part RP1005S-R10-F, "0.1 ohm, 1%, 1/16W, 0402, RoHS"
R12 R17 R18 R19 R22 R25 R42: library part MCR01MZPF4992, "49.9k ohm, 1%, 1/16W, 0402, RoHS"
R13: library part ERJ-2RKF4703X, "470k ohm, 1% , 1/16W, smd, 0402, RoHS"
R14 R20 R21 R23: library part MCR01MZPF1001, "1.0k ohm, 1%, 1/16W, smd, 0402, RoHS"
R15 R16: library part MCR01MZPF5101, "5.1K ohm, 1%, 1/16W, smd, 0402, RoHS"
R24: library part ERJ-2RKF8452X, "84.5k ohm, 1%, 1/10W, 0402, RoHS"
R26 R28 R29 R31 R32 R33 R49 R50: library part MCR01MZPF1002, "10.0k ohm, 1%, 1/16W, smd, 0402, RoHS"
R27 R30 R34: library part CRCW040220R0FKED, "20 ohm, 1%, 0402, 1%, RoHS"
R37 R39: library part MCR01MZPF1003, "100k ohm, 1%, 1/16W, smd, 0402, RoHS"
R38: library part MCR01MZPF1000, "100 ohm, 1%, 1/16W, 0402, RoHS"
R40 R43 R51: library part CRCW04021K60FKED, "1.6K ohm, 1%, 1/16W, smd, 0402, RoHS"
R41 R48 R52: library part MCR01MZPF1503, "150k ohm, 1%, 1/16W, smd, 0402, RoHS"
R44 R47 R53 R56: library part RG1005P-103-B-T5, "10k ohm, 0.1%, 1/16W, 0402, RoHS"
R45 R54: library part MCR01MZPF3320, "332 ohm, 1%, 1/16W, 0402, RoHS"
R46 R55: library part MCR01MZPF1004, "1M ohm, 1%, 1/16W, 0402, RoHS"
RV1: library part CG0603MLC-12E, "MOV, 12V, 0603, RoHS"
TH1: "Header, 13-Pin, Dual row"
U1: library part ZXCT1010E5TA, "Current Monitor, 2.5V-20V, 1%, RoHS"
U2 U3: library part LTC3642EDD, "Step Down DC-DC, 4.5V-45V, 50mA, RoHS"
U4: library part IL712-1E, "Digital Isolator, 3-5.5V, uSOP8, RoHS"
U5: library part NC7SZ86L6X, "XOR, 1.65-5.5V, uPAK6, RoHS"
U6: library part DS1100LU-500, "Silicon delay,  3-3.6V, uSOP8, RoHS"
U7: library part MAX9142EKA, "Comparator, 2.7-5.5V, 40nS, SOT23-8, RoHS"
U8: library part NC7SZ175L6X, "FLIPFLOP, 1.65-5.5V, uPAk6, RoHS"
U9: library part LT1964ES5-BYP, "Low Droupout negative regulator, -5V, -200mA"
U10: library part TPS3805H33, "Voltage detector Reset, SC70-5, RoHS"
U11: library part AT90CAN128-16MI, "uC, 2.7-5.5V, 8bit, QFN64, RoHS"
U12: library part NCP1729SN35T1, "Voltage inverter, 1.15-5.5V, 50mA, SOT23-6, RoHS"
U13: library part TMP112AIDRLT, "Temperature Sensor,12bit I2C,  SOT563, RoHS"
U14: library part KXTE9-2050, "Tri-axis accelerometer, I2C,  LGA10, RoHS"
U15: library part OPA2333AIDRBT, "OPA, 1.8-5.5V, DRB8, RoHS"
U16 U20: library part LT1168ACS8, "Op-Amp Instrumentation, 400kHz, SOIC8-N, RoHS"
U17: library part MAX5408ETE, "Digipot, 2.7-3.6V,  SPI, QFN16, RoHS"
U18: library part OPA2333AIDRBT, "OPA, 1.8-5.5V, DFN8, RoHS"
U19: library part LT1490ACDD, "Op-Amp, Dual, R-R, DFN8, RoHS"
U21: library part Si1026X-T1-E3, "MOSFET 2N, 60V, 0.305A, RoHS"
X1 X2 X11 X12 X21 X22 X31 X32 X41 X42 X51 X52 X61 X62 X71 X72 X81 X82: "Hole for 10mil diameter feedthrough"
Y1: library part NX5032GA

## Via types
v1: diameter 18.9/18.9/18.9/18.9 (per signal layer), hole 7.87, Layer 1, Plated Cu to Layer 4, Plated Cu, tented both sides, 117 vias
v2: diameter 15, hole 5.91, Layer 1, Plated Cu to Layer 2, Cu, tented both sides, 117 vias
v3: diameter 19.4, hole 7.87, Layer 2, Cu to Layer 3, Cu, tented both sides, 25 vias
v4: diameter 15, hole 5.91, Layer 1, Plated Cu to Layer 2, Cu, tented top, 17 vias
v5: diameter 19.4, hole 7.87, Layer 2, Cu to Layer 3, Cu, 9 vias
v6: diameter 15, hole 5.91, Layer 1, Plated Cu to Layer 2, Cu, 2 vias

## Nets (pads, with @x,y where several pads share a name; then routed paths per layer and width w, separated by ;. In a path a pad name is that pad's centre, name@x,y a point inside that pad or via, vN(x,y) a via of type N, cw(c..) or ccw(c..) an arc to the next point about the centre after c; other vN are vias at no path point)
1V65: R38.2 U15.5 U17.4 U17.9 U19.3 U19.5 | length 1273.6
  Layer 1, Plated Cu w5.98: U19.5@2102.57,1502.01 v1(2102.57,1526.12) ; U19.3@2212.8,1482.32 2233.47,1482.32 2251.19,1500.04 v1(2267.92,1500.04)
  Layer 1, Plated Cu w8: U17.4@2191.74,1117.65 2191.74,1137.83 v1(2192.15,1138.24) ; U15.5@2323.96,880.26 2344.28,880.26 v1(2355.31,891.29)
  Layer 1, Plated Cu w10: U17.9@2038.2,1117.65 2038.2,1131.73 2049.08,1142.62 v1(2054.32,1142.62)
  Layer 2, Cu w8: v1(2253.16,1004.95) v1@2255.58,1004.95
  Layer 4, Plated Cu w8: v1(2192.15,1138.24) 2192.15,1117.44 2186.47,1111.76 2186.47,1042.72 2224.24,1004.95 v1(2253.16,1004.95) 2355.31,902.8 v1(2355.31,891.29)
  Layer 4, Plated Cu w10: v1(2054.32,1142.62) 2187.78,1142.62 v1(2192.15,1138.24) 2227.98,1138.24 2300.66,1210.92 2300.66,1467.3 v1(2267.92,1500.04) 2128.65,1500.04 v1(2102.57,1526.12)
3V3: C4.1 C9.1 C11.1 C18.1 C20.1 C22.1 C23.1 C27.1 C29.1 C32.1 C55.2 L1.2 Q2.2 R17.1 R27.1 R28.1 R29.1 TH1.13 U2.6 U4.1 U6.8 U8.5 U8.6 U10.4 U10.5 U11.21 U11.52 U12.2 U13.5 U14.1 U14.5 U17.13 | length 3399.4
  Layer 1, Plated Cu w5.98: C11.1@2797.45,1505.94 v1(2846.66,1505.94) ; C11.1@2797.45,1506.93 U6.8@2797.45,1558.11 ; R17.1@2873.23,1483.3 2853.55,1483.3 2846.66,1490.19 v1(2846.66,1505.94) ; U4.1@2887.01,1536.45 2847.64,1536.45 2846.66,1535.47 v1(2846.66,1505.94) ; U10.4@3043.51,914.9 3070.08,914.9 ; U10.5@3091.74,911.95 3094.69,914.9 3070.08,914.9 ; v1(3091.93,869.62) C18.1@3070.08,869.62 3070.08,914.9
  Layer 1, Plated Cu w6: v1@2741.27,1021.12 v1(2741.34,1021.2) v1@2742.38,1020.16 ; C20.1@2805.41,987.49 2804.35,988.54 v1(2804.35,1013.88) 2811.05,1020.58 2836.67,1020.58 2839.77,1023.68 U11.21@2839.77,1043.34
  Layer 1, Plated Cu w8: C55.2@2039.05,962.48 2039.05,987.22 v1(2054.32,1002.5) U17.13@2076.58,1002.5 ; v1(2296.32,1126.62) 2296.32,1144.82 Q2.2@2297.94,1146.44 ; R27.1@2775.3,1468.13 2775.3,1484.78 C11.1@2796.46,1505.94 ; U8.5@2961.29,1463.16 v1(2999.02,1463.16) 2997.25,1461.39 C23.1@2997.25,1428.68 U11.52@2997.25,1389.8 ; v1(3417.61,1046.23) 3418.4,1045.44 R29.1@3445.25,1045.44 ; U14.1@3437.69,1001.29 3461.03,1001.29 3484.84,977.48 U14.5@3484.84,915.56 ; U13.5@3618.57,982.09 3657.24,982.09 C29.1@3657.4,981.93
  Layer 1, Plated Cu w10: C4.1@3436.05,1422.39 3436.15,1422.49 U2.6@3436.15,1465.7 ; U14.5@3484.84,915.56 C32.1@3484.84,879.06 3511.25,879.06 v1(3512.64,880.46) ; R28.1@3571.51,1045.37 v1(3596.86,1045.35) ; C29.1@3657.4,981.93 3657.88,982.4 v1(3687.81,982.4) 3687.81,898.21 v1(3707.58,878.44)
  Layer 1, Plated Cu w15: v1(3437.86,1389.8) 3436.05,1391.61 C4.1@3436.05,1422.39 3511.39,1422.39 3513.25,1424.25
  Layer 1, Plated Cu w20: C27.1@3598.19,1127.99 v1(3598.19,1185.34) U12.2@3598.41,1185.57
  Layer 2, Cu w10: v2(2732.68,983.23) 2732.68,1012.53 v1(2741.34,1021.2)
  Layer 3, Cu w8: v1(2054.32,1002.5) 2165.09,1002.5 2174.09,993.5 2206.58,993.5 2254.7,1041.62 v1(2286.32,1041.62) 2286.32,1113.17 2296.32,1123.17 v1(2296.32,1126.62) ; v1(2345.84,1036.62) 2725.93,1036.62 v1(2741.34,1021.2)
  Layer 3, Cu w10: v1(3707.58,878.44) TH1.13@4464.26,878.44
  Layer 3, Cu w15: v1(2999.02,1463.16) 3018.38,1443.8 3449.65,1443.8 v1(3470.68,1422.77)
  Layer 4, Plated Cu w8: v1(2286.32,1041.62) 2340.84,1041.62 v1(2345.84,1036.62)
3V3BUS: C7.1 C8.1 C10.1 C12.1 L2.2 R14.1 R15.1 R18.1 U3.6 U4.8 U5.6 U7.8 | length 416.4
  Layer 1, Plated Cu w5.98: v1(2846.66,1733.3) C8.1@2846.66,1709.68 U4.8@2887.01,1709.68 ; C10.1@2848.63,1812.04 U5.6@2880.12,1812.04 U5.6@2881.11,1812.04 ; U7.8@3009.06,1678.19 C7.1@3009.06,1723.46 v1(3009.06,1751.02) 3009.06,1752.01 v1@3009.06,1752.99
  Layer 1, Plated Cu w8: R14.1@2814.44,1812.04 C10.1@2848.63,1812.04 2848.92,1812.34 v1(2848.92,1843.72) ; U3.6@2981.39,1992.07 3006.71,1992.07 3025.7,1973.09 L2.2@3052.5,1973.09 ; R18.1@2998.23,1815.98 2998.23,1849.08 v1(2999.02,1849.87)
  Layer 1, Plated Cu w12: L2.2@3052.5,1973.09 C12.1@3052.5,1933.68 3052.88,1933.3 v1(3078.94,1933.3)
  other v1: 2733.56,1900.67
ACCINT: TH1.24 U11.27 U14.7 | length 1731.1
  Layer 1, Plated Cu w6: v1(3509.08,1020.16) 3508.01,1019.09 3508.01,956.44 3514.34,950.11 U14.7@3532.18,950.11
  Layer 2, Cu w9.84: v2(2957.88,1043.34) v3(2977.57,1043.34)
  Layer 3, Cu w6: v3(2977.57,1043.34) 3393.71,1043.34 3416.9,1020.16 v1(3509.08,1020.16) 4505.97,1020.16 TH1.24@4564.26,1078.44
AVCC: C25.1 R27.2 U11.64 | length 98.8
  Layer 1, Plated Cu w8: C25.1@2735.93,1428.59 2735.93,1397.7 2743.84,1389.8 U11.64@2761.03,1389.8
  Layer 1, Plated Cu w10: C25.1@2735.93,1428.59 R27.2@2735.93,1468.13
AVDD: C26.1 C33.1 C37.1 C43.1 C44.1 C46.1 C48.1 R30.2 R37.1 U15.8 U16.7 U17.14 U18.8 U19.8 U20.7 | length 865.2
  Layer 1, Plated Cu w5.98: v1(2076.97,1218.54) C43.1@2101.09,1218.54 2101.09,1263.32 U18.8@2099.61,1264.8 ; v1(2076.97,1387.83) C46.1@2102.57,1387.83 U19.8@2102.57,1442.95 ; v1(2089.77,1557.12) C48.1@2089.77,1592.56 2095.08,1597.87 U20.7@2095.08,1654.56 ; R30.2@2262.51,1065.96 2310.13,1065.96 C26.1@2310.64,1066.47 2310.64,1060.29 2320.79,1050.15 C33.1@2320.79,1006 ; U16.7@2297.84,1654.56 U16.7@2298.11,1654.84 ; U15.8@2320.07,960.92 U15.8@2323.77,957.22 ; U15.8@2323.96,957.03 2323.96,972.52 2319.68,976.8 2319.68,1004.9 C33.1@2320.79,1006 ; v1(2347.76,997.89) 2339.65,1006 C33.1@2320.79,1006
  Layer 1, Plated Cu w8: U17.14@2102.17,1002.5 v1(2102.17,967.63) 2088.56,967.63 2076.97,956.04 C44.1@2076.97,936.99 2121.01,936.99 R37.1@2121.27,937.25
  Layer 1, Plated Cu w10: C37.1@2288.22,1603.67 C37.1@2294.8,1603.67 2297.84,1606.71 U16.7@2297.84,1654.56 ; U16.7@2298.11,1654.84 v1(2298.11,1698.26)
  Layer 2, Cu w12: v1(2181.9,1012.34) 2210.13,984.11 2284.82,984.11 2298.61,997.89 v1(2347.76,997.89)
AVDD_CTRL: Q2.1 U11.14 | length 511.1
  Layer 1, Plated Cu w6: Q2.1@2337.31,1146.44 2337.31,1116.58 v1(2344.85,1109.05)
  Layer 2, Cu w6: v2(2735.44,1108.3) 2774.55,1108.3 v5(2775.3,1109.05)
  Layer 3, Cu w6: v1(2344.85,1109.05) v5(2775.3,1109.05)
BA_ISO: C1.2 D1.2 D3.1 | length 74.5
  Layer 1, Plated Cu w10: C1.2@3504.17,2034.11 D1.2@3543.68,2034.12 ; D1.2@3543.68,2034.12 D3.1@3543.68,2069.12
BUSA: C1.1 D5.1 D6.2 D7.1 R19.1 RV1.1 TH1.14 X21.1 X31.1 X61.1 X71.1 | length 5384.6
  Layer 1, Plated Cu w5.98: C1.1@3422.48,2023.29 C1.1@3433.31,2034.11
  Layer 1, Plated Cu w8: D5.1@2807.38,1973.77 2836.46,1973.77 D7.1@2881.68,1928.55
  Layer 1, Plated Cu w9.84: v1(3380.67,2094.58) 3380.67,2026.71 RV1.1@3384.1,2023.29 C1.1@3422.48,2023.29
  Layer 1, Plated Cu w10: X31.1@2107.41,2449.1 X21.1@2235.41,2449.1 2236,2448.51 v1(2316.83,2448.51) ; X61.1@2107.51,617.6 X71.1@2235.51,617.6 ; v1(2796.78,2096.05) 2772.12,2071.39 D6.2@2772.12,2010.54 2772.12,1974.69 R19.1@2772.83,1973.97 2807.17,1973.97 D5.1@2807.38,1973.77 ; v1(4405.42,2069.46) 4405.42,2041.08 4414.8,2031.7 4524.14,2031.7 4564.26,2071.82 TH1.14@4564.26,2075.34
  Layer 3, Cu w10: v1(2316.83,2448.51) 2316.83,2140.08 2360.86,2096.05 v1(2796.78,2096.05) v1@3379.21,2096.05 ; v1(3380.67,2094.58) 4380.29,2094.58 v1(4405.42,2069.46)
  Layer 3, Cu w19.68: X31.1@2107.41,2449.1 2107.41,2107.2 1953.01,1952.8 1953.01,994.24 2075.52,871.73 2127.85,871.73 2149.5,850.08 2149.5,728.03 2107.51,686.04 X61.1@2107.51,617.6
BUSB: C6.1 C7.2 C8.2 C10.2 C12.2 C13.2 C14.2 C15.2 C16.1 R20.2 R21.2 R22.1 R23.1 RV1.2 TH1.1 U3.3 U3.8 U3.9 U4.5 U5.3 U7.4 U9.1 X22.1 X32.1 X62.1 X72.1 | length 4717.1
  Layer 1, Plated Cu w5.98: C6.1@3421.5,1968.17 C6.1@3433.31,1956.36
  Layer 1, Plated Cu w9.84: v1(3384.1,1943.68) RV1.2@3384.1,1968.17 C6.1@3421.5,1968.17
  Layer 1, Plated Cu w10: X32.1@2107.41,2581.1 X22.1@2235.41,2581.1 ; X62.1@2107.51,749.6 X72.1@2235.51,749.6 ; U3.3@2871.15,1992.07 2916.43,1992.07 U3.9@2925.29,2000.94 ; v2(2925.29,1908.82) U3.9@2925.29,2000.94 ; v4(2926.27,2001.92) U3.9@2925.29,2000.94 ; v2(2947.09,2039.46) 2955.1,2031.44 U3.8@2981.39,2031.44 ; v1(3481.96,1895.71) 3482.64,1895.03 R22.1@3509.06,1895.03
  Layer 2, Cu w10: v2(2733.46,2051.13) 2760.72,2051.13 v5(2761.07,2051.47)
  Layer 3, Cu w10: X22.1@2235.41,2581.1 2289.27,2527.24 2289.27,2138 2366.21,2061.06 2723.53,2061.06 v2(2733.46,2051.13) 2760.72,2051.13 v5(2761.07,2051.47) ; v1(3481.96,1895.71) 3470.68,1906.99 3470.68,2011.78 3528.36,2069.46 v1(3700.44,2069.46) 4377.36,2069.46 4397.2,2049.61 4413.64,2049.61 4427.21,2063.19 4452.1,2063.19 TH1.1@4464.26,2075.34
  Layer 3, Cu w19.68: X32.1@2107.41,2581.1 2037.3,2510.99 2037.3,2088.27 1923.13,1974.1 1923.13,987.07 2051.08,859.12 2051.08,765.44 2066.91,749.6 X62.1@2107.51,749.6
  other v2: 3085.83,1579.76 2846.66,1670.31 3388.68,1702.6 2963.79,1712.64 3048.43,1723.46 3387.91,1753.85 2848.63,1772.67 3037.82,1776.44 3076.97,1776.61 2919.49,1782.52 2949.02,1815.98 2772.83,1933.68 2903.75,1965.12 2947.09,1965.12 2904.14,2039.46
  other v4: 3013.13,1933.68
CH1: C38.1 C39.1 R43.2 TH1.20 U11.59 | length 2584.9
  Layer 1, Plated Cu w5.98: C39.1@2331.9,1180.15 2332.14,1180.4 C38.1@2332.14,1221 v1(2332.14,1247.08) R43.2@2332.14,1262.34
  Layer 2, Cu w5.98: v3(2859.45,1247.08) v2(2859.45,1389.8)
  Layer 3, Cu w5.98: v1(2332.14,1247.08) v3(2859.45,1247.08) 2897.96,1208.58 3065.66,1208.58 3091.68,1234.6 3511.77,1234.6 3711.51,1434.34 4520.15,1434.34 TH1.20@4564.26,1478.44